# KiCad board arena_10_of_10_v1r1.kicad_pcb (continued)
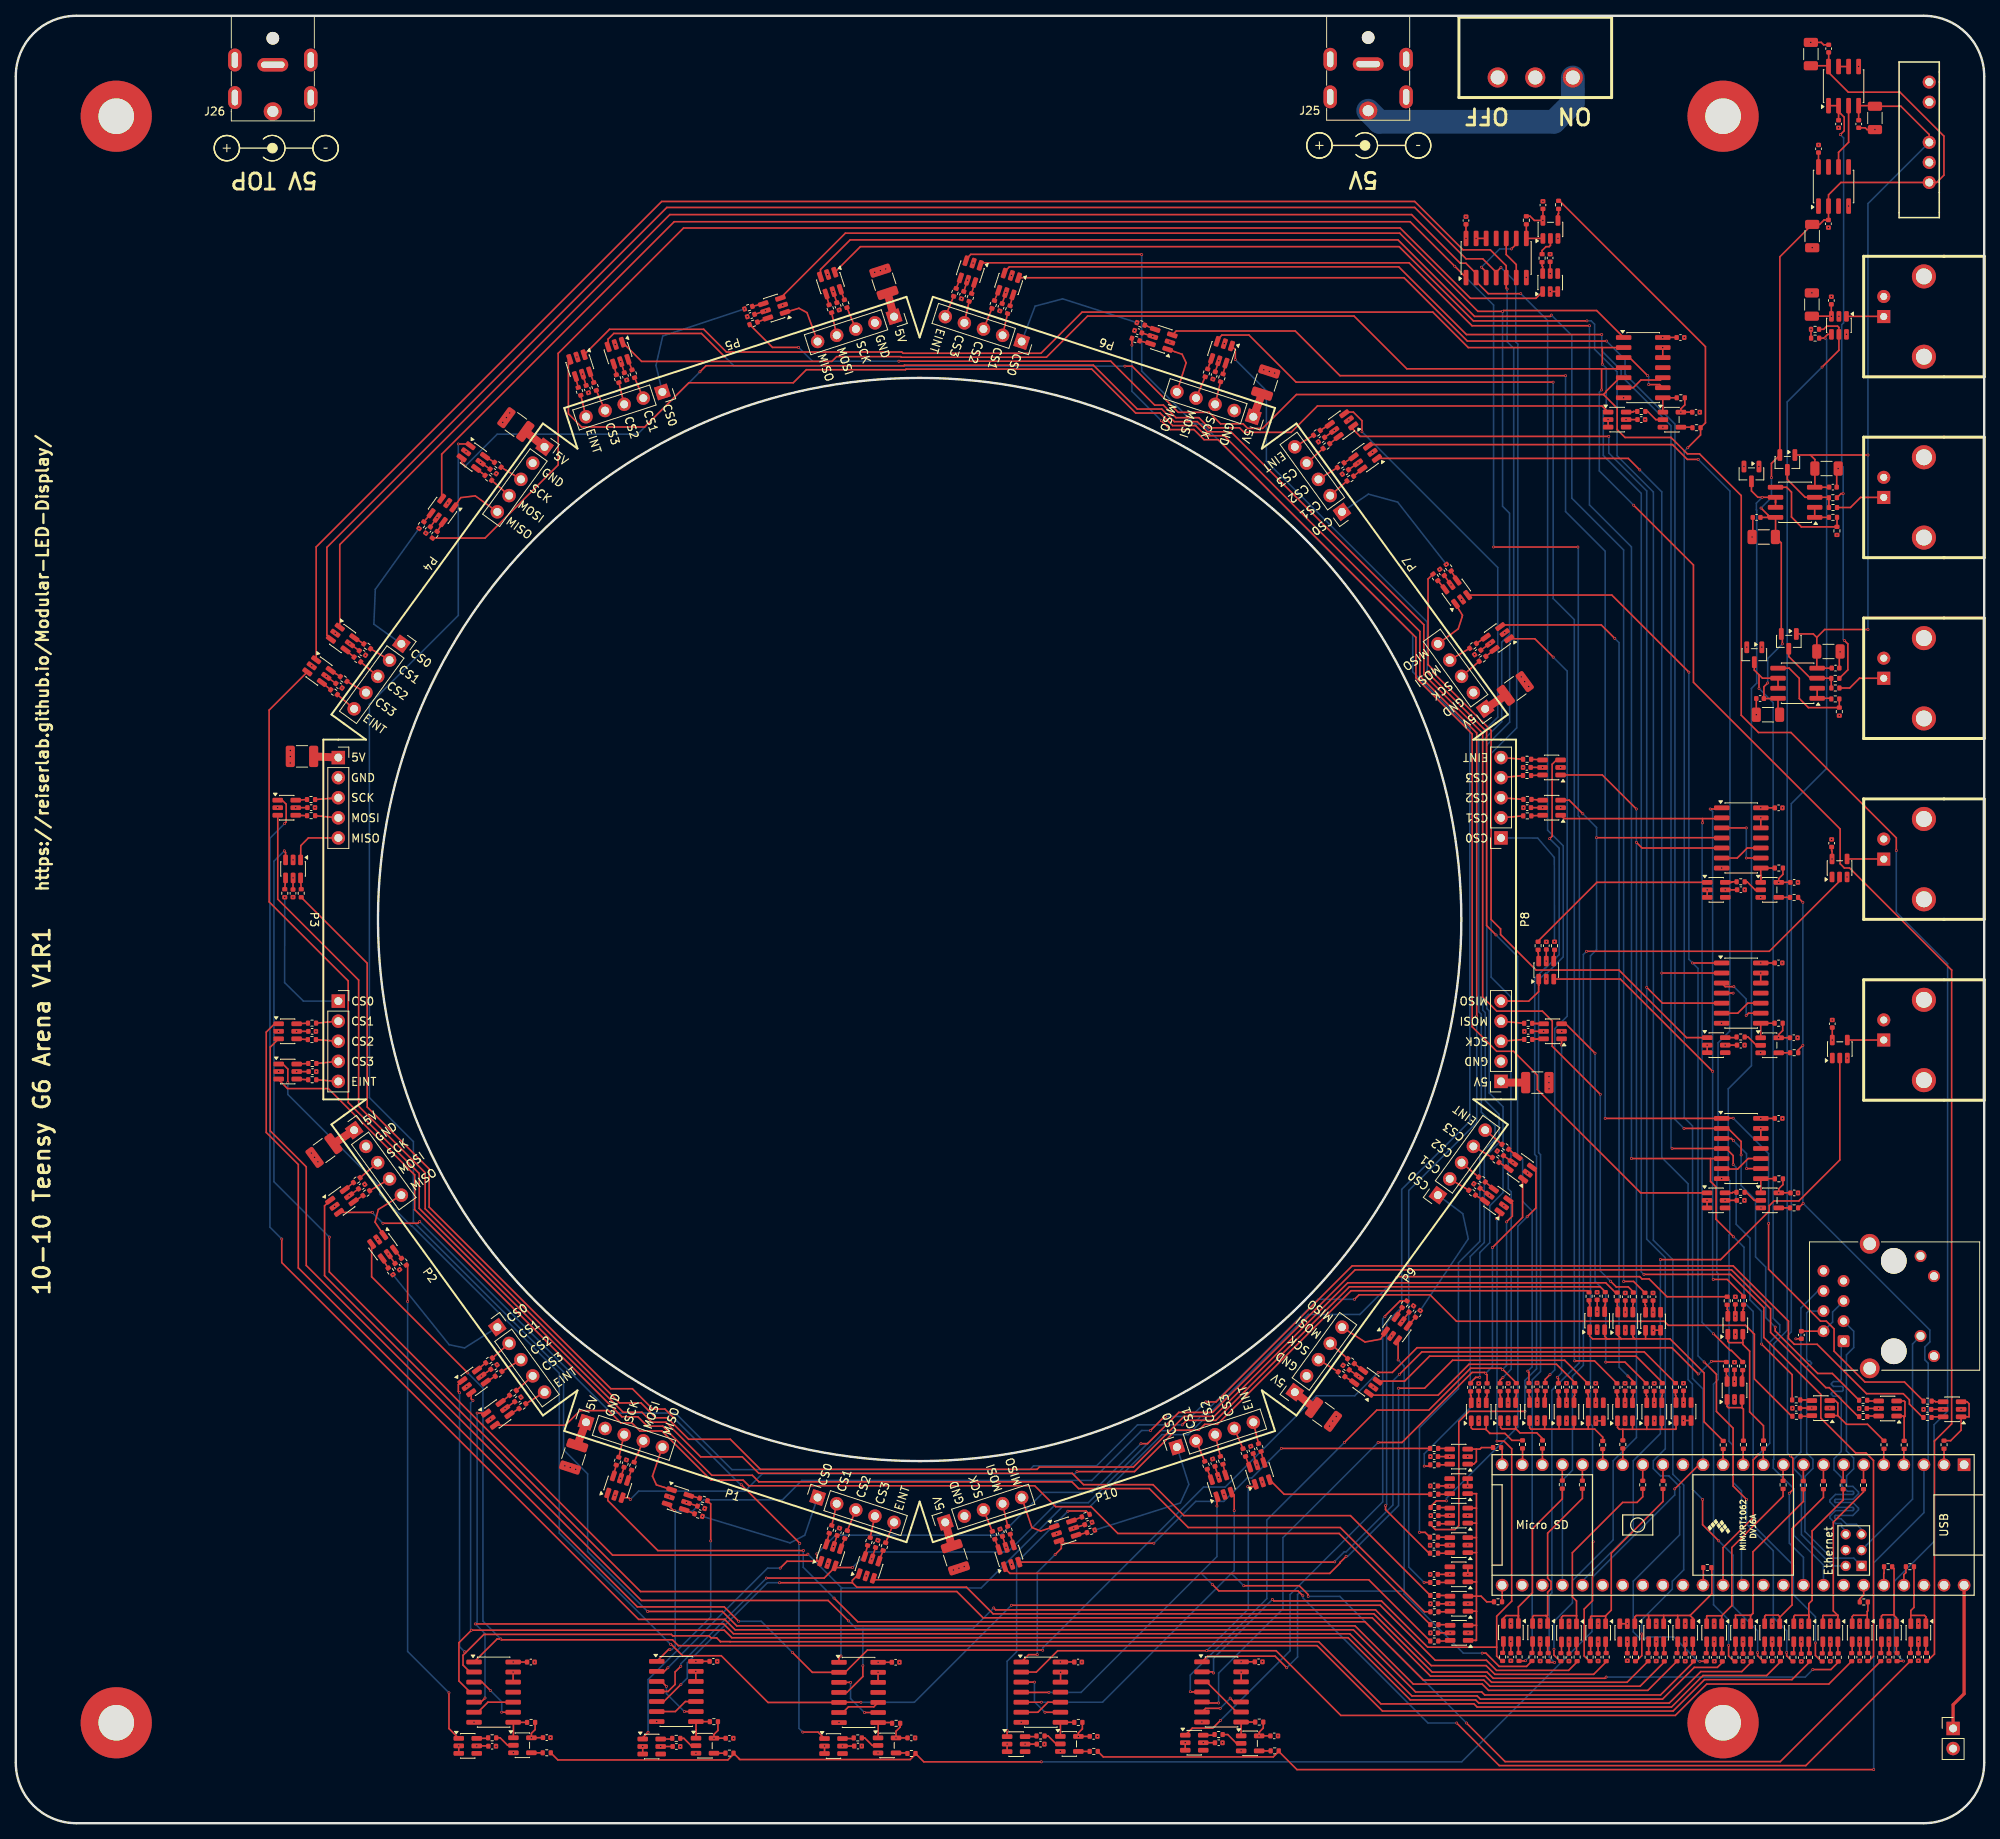
[diagram p0: board, top side]
## Routing (per net, layer and track width the routed paths; a pad name or vN(x,y) marks a point on that pad's centre or on a via; arc(x,y) is an arc through that point) (continued)
  Bottom w0.2: v1(217.18,83.32) 217.55,82.94 217.55,75.75 219.3,74 219.3,66.2 220.76,64.74 v1(220.76,60.61) ; v1(209.45,85.34) 209.31,85.47 209.31,176.75 203.01,183.06 203.01,183.77 200.56,186.22 v1(200.56,188.29)
/Fan Out/PAN.CS_03_P1: length 164.2
  Top w0.2: v1(201.11,18.48) 200.96,18.33 186.84,18.33 186.06,19.1 179.12,19.1 171.74,26.48 123.59,26.48 120.22,29.85 106.35,29.85 105.79,30.41 ; U45.1 105.79,30.71 105.79,30.41 ; v1(227.24,19.44) 229.53,19.44 230.47,20.37 R54.2 ; 105.79,30.41 v1(96.59,30.41) ; v1(84.11,17.55) 81.95,15.39 U89.5
  Bottom w0.2: v1(96.59,30.41) 95.04,30.41 84.92,20.28 84.92,18.36 v1(84.11,17.55) ; v1(227.24,19.44) 226.29,18.48 v1(201.11,18.48)
/Fan Out/PAN.CS_03_P6: length 268.9
  Top w0.2: R55.2 228.33,20.47 227.58,21.22 v1(227.58,22.8) ; v1(204.31,84.07) 214.31,84.07 ; 214.31,84.07 U99.5 ; 214.31,84.07 214.31,81.17 215.01,80.47 215.01,76.38 v1(217.23,74.16) ; U65.1 122.28,197.36 176.2,197.36 184.15,189.4 v1(199,189.4)
  Bottom w0.2: v1(199,189.4) 199,166.74 204.31,161.43 v1(204.31,84.07) ; v1(227.58,22.8) 227.58,26.11 224.79,28.9 224.79,32.62 219.71,37.7 219.71,64.72 218.54,65.89 218.54,72.85 v1(217.23,74.16)
/Fan Out/PAN.CS_04_P2: length 233.2
  Top w0.2: v1(57.16,56.95) 45,69.11 U47.3 ; R56.2 226.82,20.37 224.61,18.16 213.55,18.16 209.58,14.19 172.82,14.19 164.56,22.45 83.79,22.45 83.05,23.2 61.43,23.2 v1(61.33,23.3) 60.86,23.3 U91.1
  Bottom w0.2: v1(61.33,23.3) 59.08,25.55 59.08,55.03 v1(57.16,56.95)
/Fan Out/PAN.CS_04_P7: length 166.3
  Top w0.2: v1(213.5,58.34) 215.06,56.77 215.06,52.07 217.17,49.96 217.17,42.64 v1(218.87,40.95) ; v1(223.94,21.57) 223.94,21.17 224.64,20.48 R57.2 ; v1(212.04,108.8) U102.1 ; v1(211.58,145.59) 201.83,155.34 U67.3
  Bottom w0.2: v1(218.87,40.95) 218.87,37.84 222.25,34.45 222.25,26.02 223.94,24.33 v1(223.94,21.57) ; v1(211.58,145.59) 211.58,109.26 v1(212.04,108.8) 212.73,108.11 212.73,59.11 v1(213.5,58.34)
/Fan Out/PAN.CS_05_P2: length 212
  Top w0.2: 56.88,21.56 56.55,21.24 56.55,19.99 57.43,19.12 U91.2 ; 56.88,21.56 59.2,23.88 82.9,23.88 83.08,23.7 83.25,23.7 87.67,23.7 87.93,23.44 88.63,23.44 89.1,22.97 89.11,22.96 90.33,22.96 90.34,22.95 164.77,22.95 172.63,15.09 184.4,15.09 184.8,14.69 209.38,14.69 213.36,18.68 221.42,18.68 223.14,20.4 R58.2 ; 56.88,21.56 v1(56.76,21.67) ; v1(56.11,54.44) 55.96,54.59 55.96,55.47 U48.1
  Bottom w0.2: v1(56.11,54.44) 56.11,22.32 v1(56.76,21.67)
/Fan Out/PAN.CS_05_P7: length 198.7
  Top w0.2: R59.2 220.98,20.48 220.26,21.19 v1(220.26,21.57) ; v1(213.31,40.95) 213.31,37.75 v1(215.36,35.71) ; U68.1 203.91,172.62 v1(205.37,171.16) ; v1(208.15,107.53) U102.2
  Bottom w0.2: v1(215.36,35.71) 217.17,33.89 217.17,27.43 220.26,24.34 v1(220.26,21.57) ; v1(213.31,40.95) 212.02,42.23 212.02,55.55 211.48,56.1 211.48,80.87 208.15,84.19 v1(208.15,107.53) 208.15,168.38 v1(205.37,171.16)
/Fan Out/PAN.CS_06_P2: length 207.8
  Top w0.2: v1(57.81,53.46) 57.59,53.68 U48.3 ; U91.4 57.45,16.58 56.04,17.98 56.04,22.83 v1(57.62,24.41) 89.59,24.41 90.55,23.46 168.48,23.46 176.35,15.59 184.6,15.59 185,15.19 209.1,15.19 213.08,19.18 218.27,19.18 219.44,20.36 R60.2
  Bottom w0.2: v1(57.81,53.46) 57.51,53.16 57.51,24.51 v1(57.62,24.41)
/Fan Out/PAN.CS_06_P7: length 200.4
  Top w0.2: v1(217.18,104.99) U102.4 ; U68.3 171.22,174.37 209.51,174.37 211.38,172.49 v1(212.75,172.49) ; v1(216.6,22.49) 216.6,21.15 217.28,20.47 R61.2
  Bottom w0.2: 216.73,104.99 216.73,100.17 215.26,98.7 215.26,81.89 215.11,81.74 215.11,69.68 215.28,69.51 215.28,56.12 214.69,55.53 214.69,27.63 216.6,25.72 v1(216.6,22.49) ; 216.73,104.99 v1(217.18,104.99) ; 216.73,104.99 216.69,105.03 216.69,106.04 216.77,106.12 216.77,168.48 v1(212.75,172.49)
/Fan Out/PAN.CS_07_P2: length 203.1
  Top w0.2: R62.2 215.8,20.33 215.18,19.71 212.25,19.71 208.24,15.69 185.21,15.69 184.81,16.09 176.56,16.09 168.69,23.96 90.75,23.96 89.51,25.2 v1(58.1,25.2) ; 57.95,15.31 58.81,15.31 v1(59.33,15.82) ; U49.1 v1(58.34,51.87)
  Bottom w0.2: v1(59.33,15.82) 59.33,23.97 v1(58.1,25.2) 58.34,25.43 v1(58.34,51.87)
/Fan Out/PAN.CS_07_P7: length 213.6
  Top w0.2: U69.1 169.13,176.28 170.01,175.4 v1(201.45,175.4) ; R63.2 v1(212.96,20.48) ; U102.5 208.24,103.72 v1(206.24,105.71)
  Bottom w0.2: v1(212.96,20.48) 212.74,20.48 209.67,23.55 206.28,23.55 206.09,23.36 205.38,23.36 204.54,24.2 204.54,30.6 210.41,36.47 210.41,42.57 209.04,43.93 207.99,43.93 207.08,44.84 207.08,45.84 208.59,47.35 208.59,71.52 206.24,73.87 v1(206.24,105.71) 206.24,168.5 201.45,173.3 v1(201.45,175.4)
/Fan Out/PAN.CS_08_P3: length 278.3
  Top w0.2: 34.11,121.84 34.11,122.77 33.96,122.92 v1(33.96,122.99) ; v1(100.17,34.03) 100.04,33.91 75.47,33.91 39.65,69.73 v1(39.65,74.13) ; v1(174.63,69.02) 174.75,69.13 205.36,69.13 205.65,68.84 206.56,68.84 208.81,66.59 R64.2 ; v1(104.35,21.16) 104.1,20.91 U94.1
  Bottom w0.2: v1(174.63,69.02) 169.96,64.34 163.45,64.34 148.26,49.15 144.95,49.15 135.84,40.04 132.36,40.04 122.07,29.75 104.45,29.75 ; v1(104.35,21.16) 104.35,29.64 104.45,29.75 ; 104.45,29.75 v1(100.17,34.03) ; v1(39.65,74.13) 32.65,81.13 32.65,121.67 v1(33.96,122.99)
/Fan Out/PAN.CS_08_P8: length 90.9
  Top w0.2: U103.1 215.58,128.28 v1(214.27,128.28) ; 194.49,106.77 202.91,106.77 v1(214.58,95.09) ; R65.2 218.48,66.71 216.42,68.77 v1(214.65,68.77)
  Bottom w0.2: v1(214.65,68.77) 214.58,68.85 v1(214.58,95.09) 214.58,127.96 v1(214.27,128.28)
/Fan Out/PAN.CS_09_P3: length 254.6
  Top w0.2: v1(98.2,21.61) 100.73,19.08 U94.2 104.87,19.08 107.69,21.9 129.84,21.9 v1(129.86,21.88) ; v1(212.76,56.81) 209.43,60.14 177.2,60.14 174.07,57.01 v1(172.27,57.01) ; U52.1 32.72,101.11 31.67,100.06 31.67,87.37 35.73,83.31 35.73,70.23 78.6,27.36 89.59,27.36 v1(91.41,25.54) ; v1(214.42,58.41) 216.23,58.41 R66.2
  Bottom w0.2: v1(212.76,56.81) 212.82,56.81 v1(214.42,58.41) ; v1(129.86,21.88) 129.86,22.17 150.21,42.51 152.94,42.51 164.48,54.06 169.32,54.06 v1(172.27,57.01) ; v1(91.41,25.54) 94.27,25.54 v1(98.2,21.61)
/Fan Out/PAN.CS_09_P8: length 91.6
  Top w0.2: 213.31,127.06 v1(213.31,126.53) ; 213.31,127.06 215.63,127.06 215.73,127.16 ; 213.31,127.06 195.79,127.06 U72.1 ; v1(214.68,61.9) 216.79,59.8 216.95,59.8 218.38,58.37 R67.2
  Bottom w0.2: v1(214.68,61.9) 213.25,63.34 213.25,126.47 v1(213.31,126.53)
/Fan Out/PAN.CS_10_P3: length 229.6
  Top w0.2: U52.3 32.17,98.14 32.17,87.57 36.73,83.02 36.73,70.54 79.1,28.17 102.72,28.17 v1(105.31,25.59) ; v1(107.12,19.91) 107.12,18.55 105.11,16.54 U94.4 ; v1(123.66,27.23) 123.9,26.98 171.95,26.98 179,19.93 185.94,19.93 187.04,18.83 199.54,18.83 201.12,20.41 R68.2
  Bottom w0.2: v1(107.12,19.91) 107.12,24.63 ; 107.12,24.63 121.06,24.63 v1(123.66,27.23) ; 107.12,24.63 106.26,24.63 v1(105.31,25.59)
/Fan Out/PAN.CS_10_P8: length 128.5
  Top w0.2: v1(198.17,127.67) 196.44,129.39 U72.3 ; v1(199.9,124.65) 215.69,124.65 U103.4 ; v1(199.48,35.6) 199.39,35.51 199.39,28.13 198.33,27.08 198.33,21.15 198.99,20.5 R69.2
  Bottom w0.2: v1(198.17,127.67) 199.9,125.94 v1(199.9,124.65) 199.9,110.47 199.13,109.7 199.13,50.5 199.39,50.25 199.39,35.69 v1(199.48,35.6)
/Fan Out/PAN.CS_11_P3: length 221
  Top w0.2: v1(82.81,22.62) 82.88,22.62 84.32,21.18 89.21,21.18 95.12,15.27 U94.5 104.13,15.3 v1(106.88,15.3) ; R70.2 197.44,20.4 196.37,19.33 187.25,19.33 185.97,20.61 179.49,20.61 172.54,27.56 v1(125.9,27.56) ; U53.1 33.77,96.02 34.4,95.39 v1(34.4,93.69)
  Bottom w0.2: v1(125.9,27.56) 113.63,15.3 v1(106.88,15.3) ; v1(82.81,22.62) 68.73,36.7 68.73,56.91 50.13,75.51 50.06,75.51 46.01,79.55 46.01,80.56 34.4,92.17 v1(34.4,93.69)
/Fan Out/PAN.CS_11_P8: length 135
  Top w0.2: v1(194.52,22) 194.52,21.26 195.29,20.49 R71.2 ; U73.1 200.63,132.58 v1(204.93,128.28) ; v1(204.94,124.05) 205.65,123.35 U103.5
  Bottom w0.2: v1(194.52,22) 194.52,25.53 196.85,27.87 196.85,30.68 202,35.83 202,45.84 204.94,48.78 v1(204.94,124.05) 204.93,124.06 v1(204.93,128.28)
/Fan Out/PAN.CS_12_P4: length 342.4
  Top w0.2: v1(194.59,20.33) 193.95,20.33 R72.2 ; v1(197.54,161.41) 186.88,161.41 v1(186.88,161.41) ; U55.3 53.86,173.16 83.26,202.56 176.33,202.56 v1(181.97,196.92) 181.97,196.92 U95.1
  Bottom w0.2: v1(197.54,161.41) 197.59,161.36 197.59,127.43 197.73,127.29 197.73,58.24 194.25,54.76 194.25,29.14 193.91,28.8 193.91,21.01 v1(194.59,20.33) ; v1(181.97,196.92) 186.88,192.01 v1(186.88,161.41)
/Fan Out/PAN.CS_12_P9: length 87.8
  Top w0.2: v1(160.72,19.66) 159.25,21.12 150.71,21.12 U106.1 ; v1(185.43,21.51) 185.9,21.51 187.58,19.83 191.05,19.83 R73.2 ; v1(174.81,58.59) 174.81,61.01 U75.3
  Bottom w0.2: v1(174.81,58.59) 175.57,57.83 175.57,29.36 ; v1(160.72,19.66) 162.09,21.03 162.09,28.93 162.52,29.36 175.57,29.36 ; 175.57,29.36 175.57,29 183.05,21.51 v1(185.43,21.51)
/Fan Out/PAN.CS_13_P4: length 360.1
  Top w0.2: U56.1 40.97,161.72 82.71,203.46 176.51,203.46 182.66,197.31 183.37,197.31 184.66,196.01 184.66,195 186.21,193.46 v1(190.32,193.46) ; R74.2 190.88,20.52 v1(190.91,20.55)
  Bottom w0.2: v1(190.32,193.46) 193.71,190.06 193.71,125.59 195.68,123.62 195.68,109.57 193.63,107.52 193.45,107.52 192.58,106.64 192.58,84.8 192.81,84.56 192.81,57.13 191.76,56.08 191.76,21.4 v1(190.91,20.55)
/Fan Out/PAN.CS_13_P9: length 104.2
  Top w0.2: 187.27,22.26 187.27,26.17 189.17,28.07 189.17,47.35 188.2,48.33 v1(187.31,48.33) ; 187.27,22.26 187.27,21.13 187.88,20.52 R75.2 ; 187.27,22.26 178.55,22.26 172.7,28.11 159.1,28.11 v1(158.91,28.3) ; U76.1 187.63,76.83 v1(187.26,76.46) ; U106.2 151.33,19.14 v1(151.47,19)
  Bottom w0.2: v1(187.31,48.33) 187.31,76.41 v1(187.26,76.46) ; v1(158.91,28.3) 151.47,20.86 v1(151.47,19)
/Fan Out/PAN.CS_14_P4: length 327.8
  Top w0.2: v1(188.07,56.39) 187.69,56.01 R76.2 ; U56.3 39.34,150.25 39.34,161.37 82.33,204.36 176.91,204.36 183.4,197.86 185.51,197.86 187.21,196.17 ; 187.21,196.17 U95.4 ; 187.21,196.17 v1(187.81,196.77)
  Bottom w0.2: v1(188.07,56.39) 189.11,57.43 189.11,79.86 188.74,80.23 188.74,83.83 189.07,84.16 189.07,104.5 186.57,107 186.57,135.3 189.8,138.54 189.8,145.23 189.95,145.38 189.95,187.08 189.68,187.34 189.68,194.89 v1(187.81,196.77)
/Fan Out/PAN.CS_14_P9: length 89.7
  Top w0.2: v1(168.01,48.15) 172.11,52.25 178.69,52.25 183.98,57.54 187.82,57.54 v1(188,57.37) 188.07,57.37 189.75,55.69 R77.2 ; v1(188.52,76.05) 189.25,76.79 189.25,78.36 U76.3 ; v1(148.53,16.63) 148.56,16.6 U106.4
  Bottom w0.2: v1(148.53,16.63) 148.53,18.73 158.21,28.4 158.21,38.34 v1(168.01,48.15) ; v1(188.52,76.05) 188.52,57.89 v1(188,57.37)
/Fan Out/PAN.CS_15_P4: length 332.2
  Top w0.2: v1(185.13,56.39) 184.62,56.39 183.97,55.75 R78.2 ; U57.1 37.98,161.42 81.68,205.12 176.9,205.12 183.02,199 186.47,199 188.47,196.99 U95.5 188.47,194.16 v1(188.59,194.04)
  Bottom w0.2: v1(185.13,56.39) 185.13,72.16 186.39,73.43 186.39,78.08 188.07,79.76 188.07,90.61 186.33,92.36 186.33,102.73 186.02,103.04 186.02,136.37 188.91,139.26 188.91,149.38 189.43,149.89 189.43,186.54 188.59,187.37 v1(188.59,194.04)
/Fan Out/PAN.CS_15_P9: length 88.6
  Top w0.2: R79.2 186.06,56.73 v1(185.88,56.9) 185.77,57.01 184.16,57.01 175.3,48.15 v1(172.28,48.15) ; U106.5 150.13,15.2 v1(152.1,15.2) ; v1(186.73,72.81) 190.55,76.62 190.55,81.38 U77.1
  Bottom w0.2: v1(172.28,48.15) 160.24,36.12 160.24,27.12 152.1,18.98 v1(152.1,15.2) ; v1(186.73,72.81) 186.73,57.76 v1(185.88,56.9)
/Fan Out/PAN.CS_16_P5: length 269
  Top w0.2: U98.1 199.91,191.32 188.12,191.32 v1(188.02,191.22) 184.89,191.22 175,201.11 104.91,201.11 96.69,192.89 ; v1(178.11,45.16) 178.7,45.16 R80.2
  Bottom w0.2: v1(188.02,191.22) 188.02,166.57 188.89,165.69 188.89,150.37 187.91,149.38 187.91,139.32 185.51,136.92 185.51,102.84 185.83,102.52 185.83,91.4 187.57,89.65 187.57,86.07 185.71,84.2 185.71,73.45 183.92,71.66 183.92,52.53 178.11,46.72 v1(178.11,45.16)
/Fan Out/PAN.CS_16_P10: length 69.8
  Top w0.2: R81.2 v1(160.04,47.4) ; v1(131.43,33.98) 132.21,34.76 132.21,35.41 ; 132.21,35.41 v1(143.92,35.41) ; 132.21,35.41 131.91,35.71 ; U107.1 128.09,21.32 v1(129.18,21.32)
  Bottom w0.2: v1(143.92,35.41) 149.21,40.7 152.76,40.7 155.72,43.66 156.3,43.66 v1(160.04,47.4) ; v1(129.18,21.32) 129.18,31.72 v1(131.43,33.98)
/Fan Out/PAN.CS_17_P5: length 316.7
  Top w0.2: 200.54,183.95 v1(200.54,181.28) ; 200.54,183.95 175.9,183.95 169.24,190.62 135.53,190.62 130.33,185.42 111.99,185.42 111.91,185.49 103.81,185.49 103.2,184.89 79.13,184.89 U60.1 ; 200.54,183.95 203.18,183.95 U98.4 ; R82.2 241.76,20.52 242.63,21.39 242.63,48.33 244.81,50.5 244.81,107.9 231.89,120.82 231.24,120.82 230.7,121.35 230.7,125.75 212.15,144.3 212.15,159.14 v1(204.59,166.7)
  Bottom w0.2: v1(204.59,166.7) 200.25,171.04 200.25,180.99 v1(200.54,181.28)
/Fan Out/PAN.CS_17_P10: length 144.9
  Top w0.2: U107.4 127.18,16.54 v1(130.65,16.54) ; R83.2 226.36,7.28 187.6,7.28 v1(182.21,12.67) ; v1(151.3,30.21) 152.13,29.38 162.15,29.38 v1(162.76,28.77) ; U80.1 v1(151.89,40.12)
  Bottom w0.2: v1(182.21,12.67) 178.58,12.67 162.76,28.49 v1(162.76,28.77) ; 149.84,31.67 151.89,33.73 v1(151.89,40.12) ; 149.84,31.67 134.71,16.54 v1(130.65,16.54) ; 149.84,31.67 v1(151.3,30.21)
/Fan Out/PAN.CS_18_P5: length 326.4
  Top w0.2: U60.3 74.9,187.7 75.62,188.43 86.7,188.43 v1(89.62,185.51) ; 200.78,180.7 202.5,178.98 202.5,176.27 203.5,175.27 209.31,175.27 211.39,173.19 212.92,173.19 218.2,167.92 218.2,140.13 220.38,137.95 224.48,137.95 237.81,124.62 v1(237.81,123.04) ; 200.78,180.7 201.12,181.04 201.12,181.11 202.83,182.83 U98.5 ; 200.78,180.7 161.95,180.7 157.66,176.42 155.78,176.42 155.21,176.99 152.36,176.99 150.91,178.45 147,178.45 141.16,184.29 v1(140.26,184.29) ; R84.2 v1(238.72,20.5)
  Bottom w0.2: v1(140.26,184.29) 90.84,184.29 v1(89.62,185.51) ; v1(237.81,123.04) 237.81,115.21 244.3,108.72 244.3,52.11 242.58,50.39 242.58,35.63 237.56,30.61 237.56,21.65 v1(238.72,20.5)
/Fan Out/PAN.CS_18_P10: length 141.3
  Top w0.2: v1(183.45,12.67) 188.33,7.79 223.13,7.79 R85.2 ; U80.3 154.08,41.49 v1(154.08,39.54) ; v1(163.44,28.69) 163.44,28.91 162.31,30.04 v1(155.28,30.04) ; U107.5 v1(129.7,15.3)
  Bottom w0.2: 153.72,31.6 154.08,31.95 v1(154.08,39.54) ; 153.72,31.6 v1(155.28,30.04) ; 153.72,31.6 137.42,15.3 v1(129.7,15.3) ; v1(163.44,28.69) 167.43,28.69 v1(183.45,12.67)
/Fan Out/PAN.CS_19_P5: length 326.3
  Top w0.2: v1(205.89,69.41) 216.83,69.41 221.06,65.19 221.06,61.43 228.26,54.23 228.26,51.23 232.66,46.83 233.97,46.83 234.92,45.88 234.92,21.11 234.32,20.51 R86.2 ; 200.63,186.64 U98.2 ; 200.63,186.64 v1(200.63,184.53) ; 200.63,186.64 183.68,186.64 179.19,191.12 134.85,191.12 129.64,185.92 112.2,185.92 112.04,186.08 89.86,186.08 86.99,188.95 75.08,188.95 U61.1
  Bottom w0.2: v1(205.89,69.41) 205.55,69.75 205.55,168.2 200.75,173 200.75,178.67 201.13,179.05 201.13,184.03 v1(200.63,184.53)
/Fan Out/PAN.CS_19_P10: length 136.4
  Top w0.2: v1(155.79,42.57) 156.43,42.57 U81.1 ; U107.2 129.05,19.11 131.76,21.81 v1(150.59,21.81) 159.38,21.81 167.56,13.63 209.86,13.63 213.83,17.6 229.27,17.6 R87.2
  Bottom w0.2: v1(150.59,21.81) 155.86,27.08 155.86,42.5 v1(155.79,42.57)
/Fan Out/PAN.EINT_P1: length 73.7
  Top w0.2: U45.3 108.64,30.79 171.09,30.79 178.84,23.04 R93.2
/Fan Out/PAN.EINT_P2: length 130.3
  Top w0.2: U49.3 69.5,50.33 71.35,52.18 74.95,52.18 76.51,50.62 77.91,50.62 78.92,49.61 81.7,49.61 87.92,43.39 91.98,43.39 92.69,42.68 128.85,42.68 131.5,40.03 135.98,40.03 139.37,36.65 167.34,36.65 R94.2
/Fan Out/PAN.EINT_P3: length 176.2
  Top w0.2: R95.2 178.14,26.74 167.48,37.4 148.27,37.4 143.35,42.32 134.41,42.32 133.54,43.18 93.96,43.18 93.14,44 88.02,44 81.8,50.22 79.85,50.22 78.66,51.41 76.64,51.41 50.44,77.61 50.44,81.99 39.52,92.92 34.36,92.92 33.25,94.03 U53.3
/Fan Out/PAN.EINT_P4: length 225.9
  Top w0.2: U57.3 32.03,140.78 32.03,116.53 42.03,106.53 42.03,91.16 51.02,82.17 51.02,77.76 76.8,51.98 79.17,51.98 80.43,50.72 82.22,50.72 86.61,46.33 91.87,46.33 93.95,44.25 133.59,44.25 135.03,42.82 143.8,42.82 147.72,38.9 168.78,38.9 R96.2
/Fan Out/PAN.EINT_P5: length 260.5
  Top w0.2: R97.2 v1(178.09,30.45) ; v1(184.75,102.08) 184.75,137.89 177.56,145.09 177.56,150.73 152.8,175.49 150.48,175.49 149.2,176.77 146.3,176.77 144.71,178.36 141.62,178.36 136.06,183.91 112.58,183.91 112.5,183.84 99.97,183.84 98.32,182.19 85.11,182.19 79.51,176.59 71.55,176.59 69.88,178.27 69.88,184.96 U61.3
  Bottom w0.2: v1(178.09,30.45) 176.15,32.39 176.15,80.02 184.75,88.62 v1(184.75,102.08)
/Fan Out/PAN.EINT_P6: length 211.5
  Top w0.2: v1(173.22,40.17) 173.22,39.65 178.72,34.15 R88.2 ; v1(142.38,198.39) 142.34,198.43 120.77,198.43 120.15,197.81 U65.3
  Bottom w0.2: v1(173.22,40.17) 173.36,40.31 173.36,63.35 175.26,65.25 175.26,80.16 183.87,88.77 183.87,138.41 176.65,145.63 176.65,150.36 150.04,176.97 149.09,176.97 142.38,183.67 v1(142.38,198.39)
/Fan Out/PAN.EINT_P7: length 157.9
  Top w0.2: v1(177.5,36.79) 178.22,36.79 R89.2 ; v1(170.24,175.99) 170.24,177.39 169.15,178.48 168.22,178.48 U69.3
  Bottom w0.2: v1(177.5,36.79) 177.5,50.02 182.44,54.96 182.44,70.89 185.13,73.59 185.13,84.56 187.07,86.49 187.07,88.19 185.32,89.93 185.32,102.32 185,102.64 185,137.48 187.41,139.88 187.41,158.82 v1(170.24,175.99)
/Fan Out/PAN.EINT_P8: length 112
  Top w0.2: U73.3 194.83,134.48 194.29,133.93 194.29,124.84 v1(193.97,124.52) ; R90.2 178.91,37.76 179.52,37.14 181.99,37.14 182.48,37.63 182.48,50.79 183.78,52.09 v1(190.84,52.09)
  Bottom w0.2: v1(193.97,124.52) 195.18,123.32 195.18,109.86 193.51,108.2 193.42,108.2 192.07,106.85 192.07,84.59 192.31,84.35 192.31,57.46 190.84,55.99 v1(190.84,52.09)
/Fan Out/PAN.EINT_P9: length 49.5
  Top w0.2: v1(180.91,40.77) 179.63,40.77 178.91,40.04 R91.2 ; U77.3 192.23,82.49 192.23,77.81 v1(191.12,76.7)
  Bottom w0.2: v1(180.91,40.77) 180.91,41.1 189.95,50.13 189.95,75.52 v1(191.12,76.7)
/Fan Out/PAN.EINT_P10: length 21.1
  Top w0.2: R92.2 160.38,41.61 U81.3
/Fan Out/PAN.MISO_B0_P1: length 33.9
  Top w0.2: v1(87.88,35.71) 87.88,40.37 R98.2 ; U90.1 79.28,10.82 v1(79.96,11.5)
  Bottom w0.2: v1(79.96,11.5) 79.96,18.16 87.88,26.08 v1(87.88,35.71)
/Fan Out/PAN.MISO_B0_P2: length 62.6
  Top w0.2: v1(49.55,66) 49.55,70.43 R106.2 ; U93.1 54.78,11.97 v1(54.78,16.49)
  Bottom w0.2: v1(54.78,16.49) 49.55,21.72 v1(49.55,66)
/Fan Out/PAN.MISO_B0_P3: length 137.6
  Top w0.2: v1(99.52,11.52) 101.45,11.52 U97.1 ; R114.2 44.44,108.77 44.44,90.58 52.27,82.75 52.27,77.93 75.25,54.95 77.97,54.95 80.54,52.38 82.09,52.38 v1(83.17,51.3) ; v1(91.74,42.81) 99.14,35.42 v1(99.14,35.38)
  Bottom w0.2: v1(99.14,35.38) 99.03,35.28 99.03,12 v1(99.52,11.52) ; v1(83.17,51.3) 91.65,42.81 v1(91.74,42.81)
/Fan Out/PAN.MISO_B0_P4: length 169
  Top w0.2: U101.1 192.23,192.87 183.95,192.87 175.06,201.76 84.44,201.76 68.59,185.91 68.59,171.79 59.34,162.54 R122.2
/Fan Out/PAN.MISO_B0_P5: length 115.9
  Top w0.2: v1(98.99,186.66) 95.7,186.66 R130.2 ; v1(111.68,184.92) 138.47,184.92 144.02,179.36 145.12,179.36 146.71,177.77 149.61,177.77 150.89,176.49 154.75,176.49 155.32,175.91 161.27,175.91 164.6,179.25 200.59,179.25 U105.1
  Bottom w0.2: v1(98.99,186.66) 100.73,184.92 v1(111.68,184.92)
/Fan Out/PAN.MISO_B1_P6: length 147.2
  Top w0.2: R138.2 v1(141.14,186.95) ; U109.1 205.48,79.73 192.41,92.79 192.41,94.62 189.4,97.63 187.27,97.63 184.17,100.73 184.17,137.76 177.06,144.88 177.06,149.98 152.05,174.99 150.27,174.99 148.99,176.27 145.98,176.27 v1(144.86,177.39)
  Bottom w0.2: v1(144.86,177.39) 141.14,181.11 v1(141.14,186.95)
/Fan Out/PAN.MISO_B1_P7: length 81.2
  Top w0.2: R146.2 178.59,157.36 178.59,146.54 179.21,145.92 179.21,145.56 186.57,138.21 186.57,114.3 187.76,113.11 187.76,112.4 192.26,107.9 202.74,107.9 211.28,99.36 U113.1
/Fan Out/PAN.MISO_B1_P8: length 24.5
  Top w0.2: U117.1 199.94,119 192.51,111.56 R154.2
/Fan Out/PAN.MISO_B1_P9: length 68.6
  Top w0.2: 147.88,11.13 148.78,12.02 151.36,12.02 v1(152.33,13) ; R162.2 175.05,66.06 173.13,64.14 v1(173.13,64.06)
  Bottom w0.2: v1(173.13,64.06) 172.85,63.79 172.85,40.63 161.14,28.92 161.14,21.81 v1(152.33,13)
/Fan Out/PAN.MISO_B1_P10: length 34.6
  Top w0.2: R170.2 135.36,39.49 133.08,39.49 v1(133.04,39.46) ; v1(125.36,11.73) U125.1
  Bottom w0.2: v1(133.04,39.46) 126.56,32.98 126.56,21.68 125.36,20.48 v1(125.36,11.73)
/Fan Out/PAN.MOSI_B0_P1: length 133.4
  Top w0.2: v1(134.19,44.47) 141.46,44.47 146.7,49.71 149.61,49.71 150.35,50.45 151.96,50.45 168.85,67.34 198.76,67.34 198.95,67.16 ; U42.3 77.48,41.17 v1(77.71,40.95)
  Bottom w0.2: v1(134.19,44.47) 133.91,44.19 94.39,44.19 92.21,42 78.77,42 v1(77.71,40.95)
/Fan Out/PAN.MOSI_B0_P2: length 183.7
  Top w0.2: R34.2 201,67.2 200.36,67.85 168.64,67.85 151.75,50.95 148.06,50.95 147.5,50.4 v1(147.5,50.38) ; v1(51.08,76.09) 50.87,75.88 v1(46.43,75.88) ; U46.3 v1(45.1,77.26)
  Bottom w0.2: v1(45.1,77.26) 45.1,77.21 v1(46.43,75.88) ; v1(147.5,50.38) 141.85,50.38 136.66,45.19 128.71,45.19 128.23,44.72 90.56,44.72 83.41,51.87 75.29,51.87 v1(51.08,76.09)
/Fan Out/PAN.MOSI_B0_P3: length 232.2
  Top w0.2: R35.2 202.29,67.12 201.06,68.35 168.44,68.35 151.55,51.46 147.74,51.46 141.33,45.05 129.45,45.05 129.16,44.76 94.16,44.76 90.36,48.56 85.09,48.56 82.37,51.28 80.94,51.28 79.05,53.16 76.33,53.16 51.77,77.72 51.77,82.28 43.35,90.69 43.35,106.64 33.12,116.87 U50.3
/Fan Out/PAN.MOSI_B0_P4: length 241.1
  Top w0.2: v1(56.83,171.63) 56.38,172.08 U54.3 ; v1(201.67,68.55) 202.39,67.83 203.91,67.83 204.55,67.19 R36.2 ; v1(86.52,183.57) 87.28,184.34 112.3,184.34 112.37,184.41 136.27,184.41 141.82,178.86 144.92,178.86 146.51,177.27 149.41,177.27 150.68,175.99 153.65,175.99 178.06,151.58 178.06,145.29 185.49,137.86 185.49,104.49 187.28,102.71 193.05,102.71 194.3,101.46 194.3,98.27 v1(200.37,92.19)
  Bottom w0.2: v1(86.52,183.57) 78.63,175.68 60.88,175.68 v1(56.83,171.63) ; v1(200.37,92.19) 200.37,69.85 v1(201.67,68.55)
/Fan Out/PAN.MOSI_B0_P5: length 228.3
  Top w0.2: U58.3 101.76,196.51 105.51,200.26 174.79,200.26 184.47,190.58 194.02,190.58 v1(194.19,190.75) ; R37.2 204.58,68.52 v1(203.32,68.52)
  Bottom w0.2: v1(194.19,190.75) 196.77,188.17 196.77,167.59 203.32,161.03 v1(203.32,68.52)
/Fan Out/PAN.MOSI_B1_P6: length 176.8
  Top w0.2: R43.2 199.64,58.48 v1(197.13,58.48) ; v1(194.41,182.26) 161.9,182.26 155.95,188.22 152.52,188.22 151.93,187.63 U62.3
  Bottom w0.2: v1(197.13,58.48) 197.09,58.52 197.09,152.22 194.41,154.89 v1(194.41,182.26)
/Fan Out/PAN.MOSI_B1_P7: length 110.4
  Top w0.2: U66.3 187.94,151.56 200.5,151.56 v1(202.21,149.85) ; v1(203.86,56.56) 204.54,55.89 R44.2
  Bottom w0.2: v1(203.86,56.56) 202.75,57.67 202.75,149.31 v1(202.21,149.85)
/Fan Out/PAN.MOSI_B1_P8: length 51.6
  Top w0.2: v1(201.06,58.32) 203.49,58.32 R45.2 ; v1(199.71,97.39) 195.99,101.11 U70.3
  Bottom w0.2: v1(199.71,97.39) 199.71,68.53 201.06,67.18 v1(201.06,58.32)
/Fan Out/PAN.MOSI_B1_P9: length 38.8
  Top w0.2: U74.3 175.63,55.91 178.78,59.07 204.89,59.07 208.22,55.74 R46.2
/Fan Out/PAN.MOSI_B1_P10: length 104.9
  Top w0.2: v1(174.98,56.78) 177.8,59.6 205.94,59.6 R47.2 ; U78.3 166.76,33.02 v1(166.79,33.05)
  Bottom w0.2: v1(166.79,33.05) 166.79,33.12 167.99,34.32 168.22,34.32 174.15,40.24 174.15,55.95 v1(174.98,56.78)
/Fan Out/PAN.SCK_B0_P1: length 146.9
  Top w0.2: v1(103.47,28.48) 106.47,25.47 170.62,25.47 177.99,18.1 185.64,18.1 186.42,17.32 205.4,17.32 208.47,20.39 R28.2 ; U42.1 74.86,40.81 81.19,34.48 v1(99.61,34.48)
  Bottom w0.2: v1(99.61,34.48) 99.57,34.45 99.57,32.37 v1(103.47,28.48)
/Fan Out/PAN.SCK_B0_P2: length 199.6
  Top w0.2: U46.1 39.04,78.08 39.04,69.26 79,29.3 119,29.3 122.32,25.98 171.53,25.98 178.91,18.6 185.85,18.6 186.63,17.82 203.76,17.82 R29.2
/Fan Out/PAN.SCK_B0_P3: length 263.7
  Top w0.2: R30.2 212.14,20.38 207.99,16.22 185.75,16.22 185.37,16.6 177.01,16.6 169.15,24.46 90.96,24.46 89.64,25.78 78.76,25.78 33.63,70.91 v1(33.63,73.89) ; v1(33.98,126.42) 34.19,126.63 34.19,128.89 33.69,129.39 U50.1
  Bottom w0.2: v1(33.98,126.42) 32.13,124.57 32.13,75.38 v1(33.63,73.89)
/Fan Out/PAN.SCK_B0_P4: length 304.4
  Top w0.2: U54.1 57.27,174.45 v1(55.96,174.45) ; v1(79.89,26.78) 89.35,26.78 91.17,24.96 169.36,24.96 176.72,17.6 185.43,17.6 186.23,16.8 206.38,16.8 R31.2
  Bottom w0.2: v1(55.96,174.45) 55.96,152.76 44.71,141.51 44.71,91.77 50.28,86.2 50.28,76.07 69.27,57.08 69.27,47.23 72.31,44.19 72.31,34.36 v1(79.89,26.78)
/Fan Out/PAN.SCK_B0_P5: length 277.8
  Top w0.2: v1(205.62,23.94) 205.62,21.19 204.92,20.49 R32.2 ; U58.1 106.8,199.4 174.94,199.4 184.32,190.01 v1(198.69,190.01)
  Bottom w0.2: v1(198.69,190.01) 199.22,190.01 199.65,189.58 199.65,186.42 202.49,183.57 202.49,172.96 207.08,168.37 207.08,73.74 209.55,71.27 209.55,44.13 210.92,42.76 210.92,32.04 209.48,30.6 209.48,29.6 205.62,25.74 v1(205.62,23.94)
/Fan Out/PAN.SCK_B1_P6: length 147.2
  Top w0.2: v1(191.21,57.18) 191.35,57.04 R38.2 ; U62.1 154.22,186.36 v1(154.22,185.11) ; v1(178.64,145.68) 178.64,145.43 186,138.07 186,113.53 v1(187.18,112.34)
  Bottom w0.2: v1(187.18,112.34) 189.91,109.62 189.91,84.59 190.55,83.95 190.55,78.64 191.75,77.44 191.75,57.73 v1(191.21,57.18) ; v1(154.22,185.11) 158.15,181.18 158.15,172.26 178.49,151.92 178.49,145.83 v1(178.64,145.68)
/Fan Out/PAN.SCK_B1_P7: length 100.2
  Top w0.2: v1(194.41,147.49) 192.1,149.81 U66.1 ; R39.2 193.41,56.14 v1(194.02,56.74)
  Bottom w0.2: v1(194.02,56.74) 194.61,57.34 194.61,100.49 196.19,102.06 196.19,145.72 v1(194.41,147.49)
